# KiCad board beat_sequencer.kicad_pcb (continued)
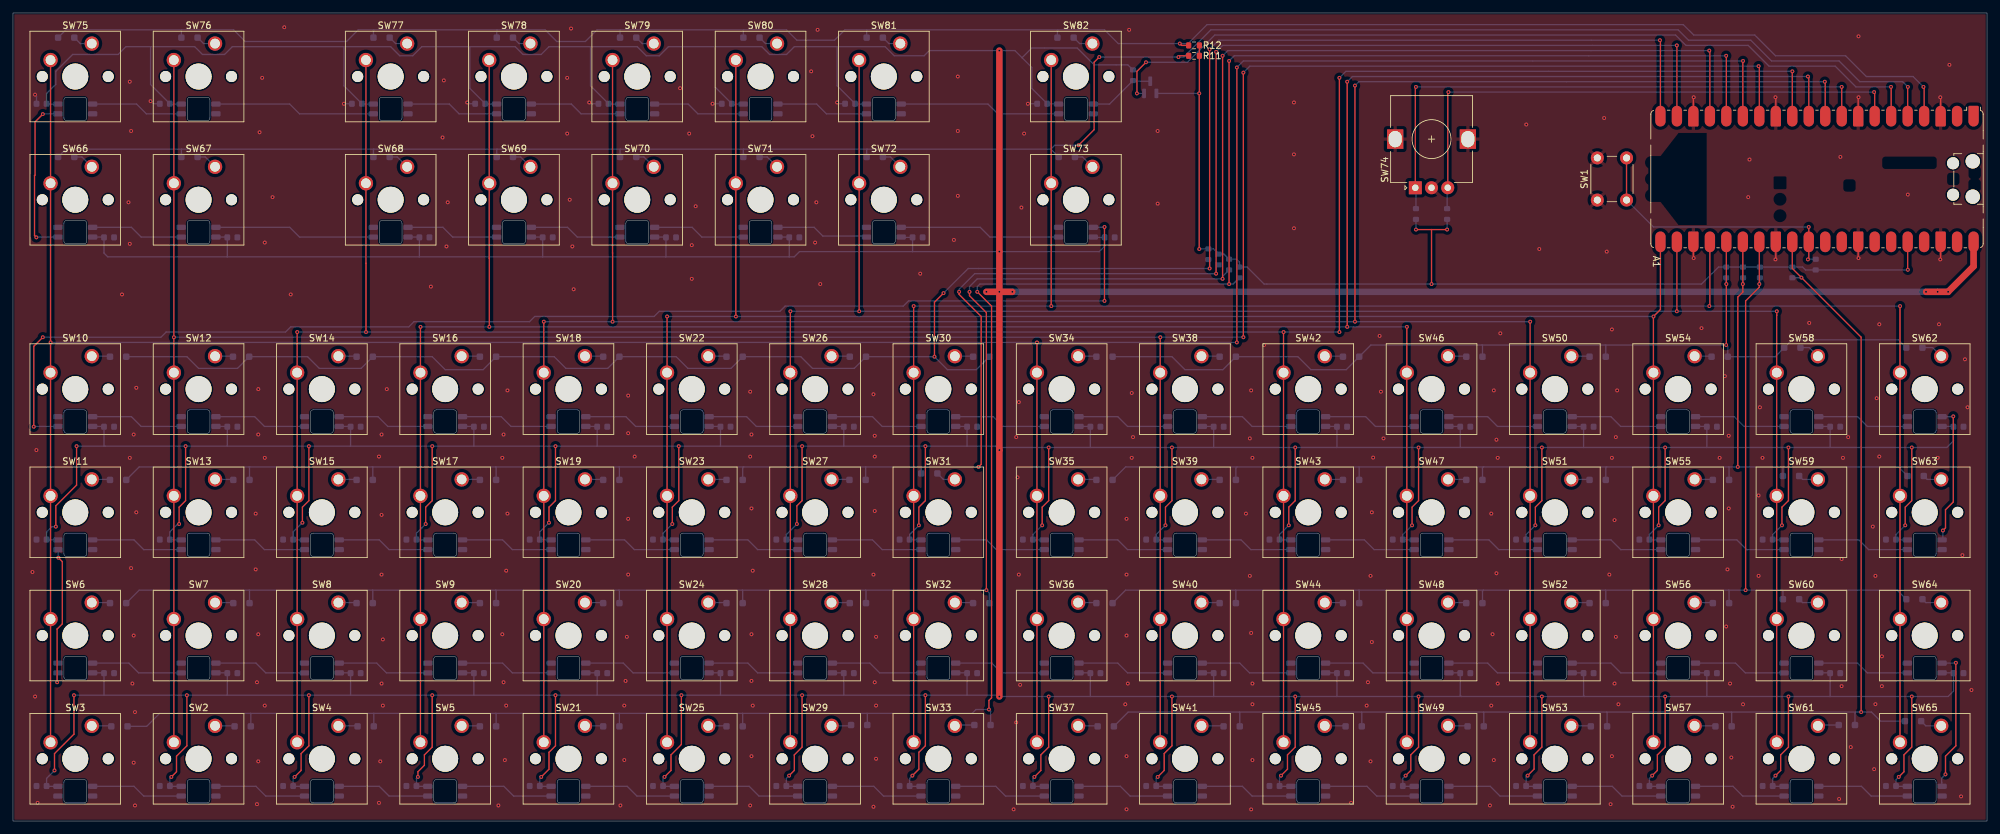
[diagram p0: board, top side]
## Footprints (pads in the part's own frame, mm; a bottom-side part is the same pattern mirrored in y, then rotated)
C_0603_1608Metric
  rrect 0.9x0.95 smd: 1(-0.775,0) 2(0.775,0)
D_SOD-323_HandSoldering
  rrect 1x1 smd: 1(-1.25,0) 2(1.25,0)
LED_SK6812_MINI_REVERSE
  rrect 1.45x0.82 smd: 1(2.675,0.75) 2(2.675,-0.75) 3(-2.675,-0.75)
  rrect 1.45x0.81 smd: 4(-2.675,0.755)
R_0603_1608Metric
  rrect 0.8x0.95 smd: 1(-0.825,0) 2(0.825,0)
RaspberryPi_Pico_Common_SMD
  rect 3.8x2.2 smd: (-8.89,24.13) (-8.89,21.59) (-8.89,19.05) (-8.89,16.51) (-8.89,13.97) (-8.89,11.43) (-8.89,8.89) (-8.89,6.35) (-8.89,3.81) (-8.89,1.27) (-8.89,-1.27) (-8.89,-3.81) (-8.89,-6.35) (-8.89,-8.89) (-8.89,-11.43) (-8.89,-13.97) (-8.89,-16.51) (-8.89,-19.05) (-8.89,-21.59) (-8.89,-24.13) (8.89,24.13) (8.89,21.59) (8.89,19.05) (8.89,16.51) (8.89,13.97) (8.89,11.43) (8.89,8.89) (8.89,6.35) (8.89,3.81) (8.89,1.27) (8.89,-1.27) (8.89,-3.81) (8.89,-6.35) (8.89,-8.89) (8.89,-11.43) (8.89,-13.97) (8.89,-16.51) (8.89,-19.05) (8.89,-21.59) (8.89,-24.13)
  round 2.2 hole 2.2 unplated: (-2.725,24) (2.725,24)
  round 1.85 hole 1.85 unplated: (-2.425,20.97) (2.425,20.97)
  custom 3.2x1.6 smd: 1(-9.69,24.13) 3(-9.69,19.05) 8(-9.69,6.35) 13(-9.69,-6.35) 18(-9.69,-19.05) 23(9.69,-19.05) 28(9.69,-6.35) 33(9.69,6.35) 38(9.69,19.05)
  rrect 3.2x1.6 smd: 2(-9.69,21.59) 4(-9.69,16.51) 5(-9.69,13.97) 6(-9.69,11.43) 7(-9.69,8.89) 9(-9.69,3.81) 10(-9.69,1.27) 11(-9.69,-1.27) 12(-9.69,-3.81) 14(-9.69,-8.89) 15(-9.69,-11.43) 16(-9.69,-13.97) 17(-9.69,-16.51) 19(-9.69,-21.59) 20(-9.69,-24.13) 21(9.69,-24.13) 22(9.69,-21.59) 24(9.69,-16.51) 25(9.69,-13.97) 26(9.69,-11.43) 27(9.69,-8.89) 29(9.69,-3.81) 30(9.69,-1.27) 31(9.69,1.27) 32(9.69,3.81) 34(9.69,8.89) 35(9.69,11.43) 36(9.69,13.97) 37(9.69,16.51) 39(9.69,21.59) 40(9.69,24.13)
RotaryEncoder_Alps_EC12E_Vertical_H20mm
  rect 2x2 hole 1: A(0,0)
  round 2 hole 1: B(0,-5) C(0,-2.5)
  rect 3x2.5 hole 2.5x2: MP(7.5,3.1) MP(7.5,-8.1)
SOT-23
  rrect 1.475x0.6 smd: 1(-0.938,0.95) 2(-0.938,-0.95) 3(0.938,0)
SW_Cherry_MX_1.00u_PCB
  round 1.7 hole 1.7 unplated: (-7.62,-5.08) (2.54,-5.08)
  round 4 hole 4 unplated: (-2.54,-5.08)
  round 2.2 hole 1.5: 1(0,0) 2(-6.35,-2.54)
SW_PUSH_6mm
  round 2 hole 1.1: 1(0,0) 1(6.5,0) 2(0,-4.5) 2(6.5,-4.5)

## Nets
+3V3: A1.36 Q1.1 R1.1 R2.1 R3.1 R4.1 R5.1 R6.1 R7.1 R8.1 R9.1 R11.1 R12.1 R13.1 R14.1
+5V: A1.40 C1.1 C2.1 C3.1 C4.1 C5.1 C6.1 C7.1 C8.1 C9.1 C10.1 C11.1 C12.1 C13.1 C14.1 C15.1 C16.1 C17.1 C18.1 C19.1 C20.1 C21.1 C22.1 C23.1 C24.1 C25.1 C26.1 C27.1 C28.1 C29.1 C30.1 C31.1 C32.1 C33.1 C34.1 C35.1 C36.1 C37.1 C38.1 C39.1 C40.1 C41.1 C42.1 C43.1 C44.1 C45.1 C46.1 C47.1 C48.1 C49.1 C50.1 C51.1 C52.1 C53.1 C54.1 C55.1 C56.1 C57.1 C58.1 C59.1 C60.1 C61.1 C62.1 C63.1 C64.1 C65.1 C66.1 C67.1 C68.1 C69.1 C70.1 C71.1 C72.1 C73.1 C74.1 C75.1 C76.1 C77.1 C78.1 C79.1 C80.1 D1.1 D2.1 D3.1 D4.1 D5.1 D6.1 D7.1 D8.1 D9.1 D10.1 D11.1 D12.1 D13.1 D14.1 D15.1 D16.1 D17.1 D18.1 D19.1 D20.1 D21.1 D22.1 D23.1 D24.1 D25.1 D26.1 D27.1 D28.1 D29.1 D30.1 D31.1 D32.1 D33.1 D34.1 D35.1 D36.1 D37.1 D38.1 D39.1 D40.1 D41.1 D42.1 D43.1 D44.1 D45.1 D46.1 D47.1 D48.1 D49.1 D50.1 D51.1 D52.1 D53.1 D54.1 D55.1 D56.1 D57.1 D58.1 D59.1 D60.1 D61.1 D62.1 D63.1 D64.1 D65.1 D66.1 D67.1 D68.1 D69.1 D70.1 D71.1 D72.1 D73.1 D74.1 D75.1 D76.1 D77.1 D78.1 D79.1 D80.1 R10.1
GND: A1.3 A1.8 A1.13 A1.18 A1.23 A1.28 A1.33 A1.38 C1.2 C2.2 C3.2 C4.2 C5.2 C6.2 C7.2 C8.2 C9.2 C10.2 C11.2 C12.2 C13.2 C14.2 C15.2 C16.2 C17.2 C18.2 C19.2 C20.2 C21.2 C22.2 C23.2 C24.2 C25.2 C26.2 C27.2 C28.2 C29.2 C30.2 C31.2 C32.2 C33.2 C34.2 C35.2 C36.2 C37.2 C38.2 C39.2 C40.2 C41.2 C42.2 C43.2 C44.2 C45.2 C46.2 C47.2 C48.2 C49.2 C50.2 C51.2 C52.2 C53.2 C54.2 C55.2 C56.2 C57.2 C58.2 C59.2 C60.2 C61.2 C62.2 C63.2 C64.2 C65.2 C66.2 C67.2 C68.2 C69.2 C70.2 C71.2 C72.2 C73.2 C74.2 C75.2 C76.2 C77.2 C78.2 C79.2 C80.2 D1.3 D2.3 D3.3 D4.3 D5.3 D6.3 D7.3 D8.3 D9.3 D10.3 D11.3 D12.3 D13.3 D14.3 D15.3 D16.3 D17.3 D18.3 D19.3 D20.3 D21.3 D22.3 D23.3 D24.3 D25.3 D26.3 D27.3 D28.3 D29.3 D30.3 D31.3 D32.3 D33.3 D34.3 D35.3 D36.3 D37.3 D38.3 D39.3 D40.3 D41.3 D42.3 D43.3 D44.3 D45.3 D46.3 D47.3 D48.3 D49.3 D50.3 D51.3 D52.3 D53.3 D54.3 D55.3 D56.3 D57.3 D58.3 D59.3 D60.3 D61.3 D62.3 D63.3 D64.3 D65.3 D66.3 D67.3 D68.3 D69.3 D70.3 D71.3 D72.3 D73.3 D74.3 D75.3 D76.3 D77.3 D78.3 D79.3 D80.3 SW1.1 SW74.C SW74.MP
C1: A1.15 SW3.2 SW6.2 SW10.2 SW11.2 SW34.2 SW35.2 SW36.2 SW37.2 SW66.2 SW75.2
C2: A1.14 SW2.2 SW7.2 SW12.2 SW13.2 SW38.2 SW39.2 SW40.2 SW41.2 SW67.2 SW76.2
C3: A1.12 SW4.2 SW8.2 SW14.2 SW15.2 SW42.2 SW43.2 SW44.2 SW45.2 SW68.2 SW77.2
C4: A1.11 SW5.2 SW9.2 SW16.2 SW17.2 SW46.2 SW47.2 SW48.2 SW49.2 SW69.2 SW78.2
C5: A1.10 SW18.2 SW19.2 SW20.2 SW21.2 SW50.2 SW51.2 SW52.2 SW53.2 SW70.2 SW79.2
C6: A1.21 SW22.2 SW23.2 SW24.2 SW25.2 SW54.2 SW55.2 SW56.2 SW57.2 SW71.2 SW80.2
C7: A1.22 SW26.2 SW27.2 SW28.2 SW29.2 SW58.2 SW59.2 SW60.2 SW61.2 SW72.2 SW81.2
C8: A1.24 SW30.2 SW31.2 SW32.2 SW33.2 SW62.2 SW63.2 SW64.2 SW65.2 SW73.2 SW82.2
LED_DIN: A1.6 Q1.2
R1: A1.20 D81.2 D82.2 D83.2 D84.2 D85.2 D86.2 D87.2 D88.2 R2.2
R2: A1.19 D89.2 D90.2 D91.2 D92.2 D93.2 D94.2 D95.2 D96.2 R3.2
R3: A1.17 D97.2 D98.2 D99.2 D100.2 D101.2 D102.2 D103.2 D104.2 R4.2
R4: A1.16 D105.2 D106.2 D107.2 D108.2 D109.2 D110.2 D111.2 D112.2 R5.2
R5: A1.25 D129.2 D130.2 D131.2 D132.2 D133.2 D134.2 D135.2 D136.2 R6.2
R6: A1.26 D137.2 D138.2 D139.2 D140.2 D141.2 D142.2 D143.2 D144.2 R7.2
R7: A1.27 D145.2 D146.2 D147.2 D148.2 D149.2 D150.2 D151.2 D152.2 R8.2
R8: A1.29 D153.2 D154.2 D155.2 D156.2 D157.2 D158.2 D159.2 D160.2 R9.2
R9: A1.5 D121.2 D122.2 D123.2 D124.2 D125.2 D126.2 D127.2 D128.2 R11.2
R10: A1.4 D113.2 D114.2 D115.2 D116.2 D117.2 D118.2 D119.2 D120.2 R12.2
RENC_A: A1.9 R13.2 SW74.A
RENC_B: A1.7 R14.2 SW74.B
RST: A1.30 R1.2 SW1.2
Net-(D1-DIN): D1.4 Q1.3 R10.2
Net-(D1-DOUT): D1.2 D2.4
Net-(D2-DOUT): D2.2 D3.4
Net-(D3-DOUT): D3.2 D4.4
Net-(D4-DOUT): D4.2 D5.4
Net-(D5-DOUT): D5.2 D6.4
Net-(D6-DOUT): D6.2 D7.4
Net-(D7-DOUT): D7.2 D8.4
Net-(D8-DOUT): D8.2 D9.4
Net-(D10-DIN): D9.2 D10.4
Net-(D10-DOUT): D10.2 D11.4
Net-(D11-DOUT): D11.2 D12.4
Net-(D12-DOUT): D12.2 D13.4
Net-(D13-DOUT): D13.2 D14.4
Net-(D14-DOUT): D14.2 D15.4
Net-(D15-DOUT): D15.2 D16.4
Net-(D16-DOUT): D16.2 D17.4
Net-(D17-DOUT): D17.2 D18.4
Net-(D18-DOUT): D18.2 D19.4
Net-(D19-DOUT): D19.2 D20.4
Net-(D20-DOUT): D20.2 D21.4
Net-(D21-DOUT): D21.2 D22.4
Net-(D22-DOUT): D22.2 D23.4
Net-(D23-DOUT): D23.2 D24.4
Net-(D24-DOUT): D24.2 D25.4
Net-(D25-DOUT): D25.2 D26.4
Net-(D26-DOUT): D26.2 D27.4
Net-(D27-DOUT): D27.2 D28.4
Net-(D28-DOUT): D28.2 D29.4
Net-(D29-DOUT): D29.2 D30.4
Net-(D30-DOUT): D30.2 D31.4
Net-(D31-DOUT): D31.2 D32.4
Net-(D32-DOUT): D32.2 D33.4
Net-(D33-DOUT): D33.2 D35.4
Net-(D34-DIN): D34.4 D36.2
Net-(D34-DOUT): D34.2 D80.4
Net-(D35-DOUT): D35.2 D37.4
Net-(D36-DIN): D36.4 D38.2
Net-(D37-DOUT): D37.2 D39.4
Net-(D38-DIN): D38.4 D40.2
Net-(D39-DOUT): D39.2 D41.4
Net-(D40-DIN): D40.4 D42.2
Net-(D41-DOUT): D41.2 D43.4
Net-(D42-DIN): D42.4 D44.2
Net-(D43-DOUT): D43.2 D45.4
Net-(D44-DIN): D44.4 D46.2
Net-(D45-DOUT): D45.2 D47.4
Net-(D46-DIN): D46.4 D48.2
Net-(D47-DOUT): D47.2 D49.4
Net-(D48-DIN): D48.4 D50.2
Net-(D49-DOUT): D49.2 D51.4
Net-(D50-DIN): D50.4 D52.2
Net-(D51-DOUT): D51.2 D53.4
Net-(D52-DIN): D52.4 D54.2
Net-(D53-DOUT): D53.2 D55.4
Net-(D54-DIN): D54.4 D56.2
Net-(D55-DOUT): D55.2 D57.4
Net-(D56-DIN): D56.4 D58.2
Net-(D57-DOUT): D57.2 D59.4
Net-(D58-DIN): D58.4 D60.2
Net-(D59-DOUT): D59.2 D61.4
Net-(D60-DIN): D60.4 D62.2
Net-(D61-DOUT): D61.2 D63.4
Net-(D62-DIN): D62.4 D64.2
Net-(D63-DOUT): D63.2 D64.4
Net-(D65-DIN): D65.4 D66.2
Net-(D66-DIN): D66.4 D67.2
Net-(D67-DIN): D67.4 D68.2
Net-(D68-DIN): D68.4 D69.2
Net-(D69-DIN): D69.4 D70.2
Net-(D70-DIN): D70.4 D71.2
Net-(D71-DIN): D71.4 D72.2
Net-(D72-DIN): D72.4 D73.2
Net-(D73-DIN): D73.4 D74.2
Net-(D74-DIN): D74.4 D75.2
Net-(D75-DIN): D75.4 D76.2
Net-(D76-DIN): D76.4 D77.2
Net-(D77-DIN): D77.4 D78.2
Net-(D78-DIN): D78.4 D79.2
Net-(D79-DIN): D79.4 D80.2
Net-(D81-K): D81.1 SW10.1
Net-(D82-K): D82.1 SW12.1
Net-(D83-K): D83.1 SW14.1
Net-(D84-K): D84.1 SW16.1
Net-(D85-K): D85.1 SW18.1
Net-(D86-K): D86.1 SW22.1
Net-(D87-K): D87.1 SW26.1
Net-(D88-K): D88.1 SW30.1
Net-(D89-K): D89.1 SW11.1
Net-(D90-K): D90.1 SW13.1
Net-(D91-K): D91.1 SW15.1
Net-(D92-K): D92.1 SW17.1
Net-(D93-K): D93.1 SW19.1
Net-(D94-K): D94.1 SW23.1
Net-(D95-K): D95.1 SW27.1
Net-(D96-K): D96.1 SW31.1
Net-(D97-K): D97.1 SW6.1
Net-(D98-K): D98.1 SW7.1
Net-(D99-K): D99.1 SW8.1
Net-(D100-K): D100.1 SW9.1
Net-(D101-K): D101.1 SW20.1
Net-(D102-K): D102.1 SW24.1
Net-(D103-K): D103.1 SW28.1
Net-(D104-K): D104.1 SW32.1
Net-(D105-K): D105.1 SW3.1
Net-(D106-K): D106.1 SW2.1
Net-(D107-K): D107.1 SW4.1
Net-(D108-K): D108.1 SW5.1
Net-(D109-K): D109.1 SW21.1
Net-(D110-K): D110.1 SW25.1
Net-(D111-K): D111.1 SW29.1
Net-(D112-K): D112.1 SW33.1
Net-(D113-K): D113.1 SW75.1
Net-(D114-K): D114.1 SW76.1
Net-(D115-K): D115.1 SW77.1
Net-(D116-K): D116.1 SW78.1
Net-(D117-K): D117.1 SW79.1
Net-(D118-K): D118.1 SW80.1
Net-(D119-K): D119.1 SW81.1
Net-(D120-K): D120.1 SW82.1
Net-(D121-K): D121.1 SW66.1
Net-(D122-K): D122.1 SW67.1
Net-(D123-K): D123.1 SW68.1
Net-(D124-K): D124.1 SW69.1
Net-(D125-K): D125.1 SW70.1
Net-(D126-K): D126.1 SW71.1
Net-(D127-K): D127.1 SW72.1
Net-(D128-K): D128.1 SW73.1
Net-(D129-K): D129.1 SW34.1
Net-(D130-K): D130.1 SW38.1
Net-(D131-K): D131.1 SW42.1
Net-(D132-K): D132.1 SW46.1
Net-(D133-K): D133.1 SW50.1
Net-(D134-K): D134.1 SW54.1
Net-(D135-K): D135.1 SW58.1
Net-(D136-K): D136.1 SW62.1
Net-(D137-K): D137.1 SW35.1
Net-(D138-K): D138.1 SW39.1
Net-(D139-K): D139.1 SW43.1
Net-(D140-K): D140.1 SW47.1
Net-(D141-K): D141.1 SW51.1
Net-(D142-K): D142.1 SW55.1
Net-(D143-K): D143.1 SW59.1
Net-(D144-K): D144.1 SW63.1
Net-(D145-K): D145.1 SW36.1
Net-(D146-K): D146.1 SW40.1
Net-(D147-K): D147.1 SW44.1
Net-(D148-K): D148.1 SW48.1
Net-(D149-K): D149.1 SW52.1
Net-(D150-K): D150.1 SW56.1
Net-(D151-K): D151.1 SW60.1
Net-(D152-K): D152.1 SW64.1
Net-(D153-K): D153.1 SW37.1
Net-(D154-K): D154.1 SW41.1
Net-(D155-K): D155.1 SW45.1
Net-(D156-K): D156.1 SW49.1
Net-(D157-K): D157.1 SW53.1
Net-(D158-K): D158.1 SW57.1
Net-(D159-K): D159.1 SW61.1
Net-(D160-K): D160.1 SW65.1

Pads without a net: A1 1 2 31 32 34 35 37 39; D65 2

## Via types
v1: diameter 0.6, hole 0.3, Top to Bottom, 419 vias

## Routing (per net, layer and track width the routed paths; a pad name or vN(x,y) marks a point on that pad's centre or on a via; arc(x,y) is an arc through that point)
+3V3: length 171.9
  Top w0.2: A1.36 291.97,85.03 v1(292,85) ; R12.1 R11.1 182.82,112.22 v1(182.8,112.2) v1(182.8,88.2) ; v1(218.6,82.8) 218.6,91.2 ; 218.6,91.2 v1(221,91.2) ; 218.6,91.2 v1(216.2,91.2)
  Bottom w0.2: R14.1 v1(221,91.2) ; R13.1 v1(216.2,91.2) ; v1(292,85) 291.98,84.97 276.23,84.97 275.78,85.42 262.83,85.42 260.2,82.8 v1(218.6,82.8) 192.8,82.8 190.17,85.42 189,85.42 189,86.2 188.57,86.62 R4.1 186.6,87.42 185.8,87.42 185,88.22 R2.1 182.82,88.22 v1(182.8,88.2) ; Q1.1 v1(182.8,112.2)
+5V: length 2006.7
  Top w0.2: v1(121.6,57.8) 121.6,49.4 120.8,48.6 v1(120.8,45.8) ; v1(216.6,57.6) 216.6,49.4 215.6,48.4 v1(215.6,45.6) ; v1(45.6,19.4) 45.6,11.6 44.4,10.4 44.4,7.8 v1(43.4,6.8) ; v1(178.6,19.2) 178.6,11.6 177.4,10.4 177.4,7.8 v1(176.4,6.8) ; v1(45.6,57.8) 45.6,49.4 44.6,48.4 v1(44.6,46) ; v1(292.6,19.2) 292.6,11.4 291.4,10.2 291.4,7.6 v1(290.6,6.8) ; v1(83.6,57.8) 83.6,49.4 82.6,48.4 v1(82.6,46) ; v1(252.6,7) 253.4,7.8 253.4,10.2 254.6,11.4 v1(254.6,19.2) ; v1(272.6,45.6) 272.6,48.4 273.6,49.4 v1(273.6,57.6) ; v1(235.6,19.2) 235.6,11.4 234.4,10.2 234.4,8 v1(233.4,7) ; v1(197.6,57.6) 197.6,49.4 196.6,48.4 v1(196.6,45.6) ; v1(139.6,45.6) 139.6,48.4 140.6,49.4 v1(140.6,57.8) ; v1(101.6,45.8) 101.6,48.4 102.6,49.4 v1(102.6,57.8) ; v1(271.6,7) 272.4,7.8 272.4,10.2 273.6,11.4 v1(273.6,19.2) ; v1(119.6,7) 120.4,7.8 120.4,10.2 121.6,11.4 v1(121.6,19.4) ; v1(81.4,6.8) 82.6,8 82.6,10.6 83.6,11.6 v1(83.6,19.4) ; v1(103,19.4) 103,11.8 101.4,10.2 101.4,7.8 v1(100.4,6.8) ; v1(235.6,57.6) 235.6,49.4 234.6,48.4 v1(234.6,45.6) ; v1(26.8,19.4) 26.8,11.6 25.2,10 25.2,7.6 v1(24.4,6.8) ; v1(254.6,57.6) 254.6,49.4 253.6,48.4 v1(253.6,45.6) ; v1(6.4,7.8) 6.4,10.4 9.4,13.4 v1(9.4,19.4) ; v1(177.6,45.6) 177.6,48.4 178.6,49.4 v1(178.6,57.6) ; v1(195.4,7) 196.4,8 196.4,10.2 197.6,11.4 v1(197.6,19.2) ; v1(292.6,57.6) 292.6,49.4 291.6,48.4 v1(291.6,45.6) ; v1(6.6,45.4) 6.6,48.6 9.8,51.8 v1(9.8,57.8) ; v1(64.6,19.4) 64.6,11.4 63.4,10.2 63.4,8.6 62.4,7.6 v1(62.4,6.8) ; v1(214.6,7) 215.4,7.8 215.4,10.2 216.6,11.4 v1(216.6,19.2) ; v1(159.6,19.2) 159.6,11.4 158.4,10.2 158.4,7.8 v1(157.4,6.8) ; v1(159.6,57.6) 159.6,49.4 158.6,48.4 v1(158.6,45.6) ; v1(25.6,45.8) 25.6,48.4 26.6,49.4 v1(26.6,57.8) ; v1(63.6,45.8) 63.6,48.4 64.6,49.4 v1(64.6,57.8) ; v1(140.6,19.4) 140.6,11.6 139.6,10.6 139.6,8 v1(138.6,7)
  Top w1: v1(294.8,81.6) v1(298.2,81.6) 302.13,85.53 A1.40 ; v1(152,81.6) v1(152,57.2) v1(152,19.2) ; v1(152,81.6) v1(154,81.6) ; v1(152,81.6) v1(150,81.6) ; v1(152,81.6) v1(152,87.8) v1(152,118.8)
  Bottom w0.2: v1(9.8,57.8) 14.2,57.8 ; 14.2,57.8 v1(26.6,57.8) 33,57.8 ; 14.2,57.8 14,57.8 14.02,57.82 14.02,60.8 13.98,60.85 12.23,60.85 ; 185,19.2 v1(178.6,19.2) 166,19.2 ; 185,19.2 v1(197.6,19.2) 204,19.2 ; 185,19.2 185.03,19.22 C55.1 184.97,22.85 183.22,22.85 ; 71,57.8 v1(64.6,57.8) 52,57.8 ; 71,57.8 v1(83.6,57.8) 90,57.8 ; 71,57.8 71.03,57.82 C29.1 70.97,60.85 69.22,60.85 ; 147,19.4 v1(140.6,19.4) 128,19.4 ; 147,19.4 151.8,19.4 v1(152,19.2) v1(159.6,19.2) 166,19.2 ; 147,19.4 147.03,19.42 C57.1 146.97,22.85 145.22,22.85 ; v1(234.6,45.6) 233.17,44.17 C45.1 233.22,43.35 234.97,43.35 ; 158.97,43.35 157.22,43.35 C41.1 157.17,44.17 v1(158.6,45.6) ; 128,57.8 v1(121.6,57.8) 109,57.8 ; 128,57.8 128.03,57.82 C26.1 127.97,60.85 126.22,60.85 ; 128,57.8 v1(140.6,57.8) 147,57.8 ; 164.22,60.85 165.97,60.85 C24.1 166.03,57.62 166,57.6 ; 25.98,5.35 24.23,5.35 C66.1 24.18,6.57 v1(24.4,6.8) ; 6.98,5.35 5.23,5.35 5.18,5.4 5.18,6.57 v1(6.4,7.8) ; 253.97,43.35 252.22,43.35 C46.1 252.17,44.17 v1(253.6,45.6) ; 223,57.6 v1(216.6,57.6) 204,57.6 ; 223,57.6 223.03,57.62 C21.1 222.97,60.85 221.22,60.85 ; 223,57.6 v1(235.6,57.6) 242,57.6 ; 261,57.6 v1(273.6,57.6) 280,57.6 ; 261,57.6 v1(254.6,57.6) 242,57.6 ; 261,57.6 261.03,57.62 C19.1 260.98,60.85 259.23,60.85 ; 161.17,110.55 161.12,110.6 C1.1 157,112.97 157,116.2 155.5,117.7 ; 52,19.4 52.02,19.42 C62.1 51.98,22.85 50.23,22.85 ; 52,19.4 v1(45.6,19.4) 33,19.4 ; 52,19.4 v1(64.6,19.4) 71,19.4 ; v1(195.4,7) 195.17,6.77 C76.1 195.22,5.35 196.97,5.35 ; 33,57.8 v1(45.6,57.8) 52,57.8 ; 33,57.8 33.02,57.82 C31.1 32.98,60.85 31.23,60.85 ; 52,57.8 52.02,57.82 C30.1 51.98,60.85 50.23,60.85 ; 177.97,5.35 176.22,5.35 C75.1 176.17,6.57 v1(176.4,6.8) ; 71,19.4 71.03,19.42 C61.1 70.97,22.85 69.22,22.85 ; 71,19.4 v1(83.6,19.4) 90,19.4 ; 51,119.4 51,113.37 C6.1 53.82,110.55 55.57,110.55 ; 51,119.4 33.8,119.4 32.6,118.2 29.2,118.2 28,119.4 21.2,119.4 ; 51,119.4 58.2,119.4 59.6,118 61.6,118 63,119.4 70.4,119.4 ; v1(252.6,7) 252.17,6.57 C79.1 252.22,5.35 253.97,5.35 ; 109,57.8 v1(102.6,57.8) 90,57.8 ; 109,57.8 109.03,57.82 C27.1 108.97,60.85 107.22,60.85 ; 62.6,87 62.63,87.02 C11.1 62.57,90.05 60.82,90.05 ; 62.6,87 33,87 ; 62.6,87 81.6,87 ; 204,57.6 v1(197.6,57.6) 185,57.6 ; 204,57.6 204.03,57.62 C22.1 203.97,60.85 202.22,60.85 ; 128,19.4 128.03,19.42 C58.1 127.97,22.85 126.22,22.85 ; 128,19.4 v1(121.6,19.4) 109,19.4 ; 119.6,87 120.4,87 121.2,87.8 138.6,87.8 ; 119.6,87 100.6,87 ; 119.6,87 119.62,87.02 C14.1 119.57,90.05 117.82,90.05 ; v1(214.6,7) 214.17,6.57 C77.1 214.22,5.35 215.97,5.35 ; 155.5,117.7 157,119.2 164,119.2 166.6,116.6 171.8,116.6 172.6,115.8 ; 155.5,117.7 154.4,118.8 v1(152,118.8) 141.2,118.8 140.4,118 135.8,118 134.4,119.4 127,119.4 ; 44.98,43.35 43.23,43.35 C35.1 43.18,44.57 v1(44.6,46) ; 100.6,87 100.62,87.02 C13.1 100.57,90.05 98.82,90.05 ; 100.6,87 81.6,87 ; 82.97,43.35 81.22,43.35 C37.1 81.18,44.57 v1(82.6,46) ; 6.98,110.55 5.23,110.55 5.18,110.6 5.18,112.17 6.6,113.6 6.6,115.6 9.2,118.2 16.2,118.2 17.4,119.4 21.2,119.4 ; 12.23,90.05 13.98,90.05 14.02,90 14.02,87.62 14,87.6 14.6,87 33,87 ; 166,19.2 166.03,19.22 C56.1 165.97,22.85 164.22,22.85 ; v1(120.8,45.8) 119.17,44.17 C39.1 119.22,43.35 120.97,43.35 ; 261,19.2 v1(273.6,19.2) 280,19.2 ; 261,19.2 v1(254.6,19.2) 242.2,19.2 ; 261,19.2 261.03,19.22 C51.1 260.98,22.85 259.23,22.85 ; 240.22,22.85 241.97,22.85 C52.1 242.03,19.38 242.2,19.2 ; 204,19.2 v1(216.6,19.2) 223.2,19.2 ; 204,19.2 204.03,19.22 C54.1 203.97,22.85 202.22,22.85 ; v1(177.6,45.6) 176.17,44.17 C42.1 176.22,43.35 177.97,43.35 ; 223.2,19.2 223.03,19.38 C53.1 222.97,22.85 221.22,22.85 ; 223.2,19.2 v1(235.6,19.2) 242.2,19.2 ; 278.23,60.85 279.98,60.85 C18.1 280.03,57.62 280,57.6 ; 33,87 33.02,87.02 C10.1 32.98,90.05 31.23,90.05 ; 215.97,43.35 214.22,43.35 C44.1 214.17,44.17 v1(215.6,45.6) ; 147,57.8 151.4,57.8 v1(152,57.2) 152.4,57.6 v1(159.6,57.6) 166,57.6 ; 147,57.8 147.03,57.82 C25.1 146.97,60.85 145.22,60.85 ; 127,119.4 127,113.37 C2.1 129.82,110.55 131.57,110.55 ; 127,119.4 120.4,119.4 119.2,118.2 116.6,118.2 115.4,119.4 108.2,119.4 ; 33,19.4 v1(26.8,19.4) 14,19.4 ; 33,19.4 33.02,19.42 C63.1 32.98,22.85 31.23,22.85 ; 79.82,90.05 81.57,90.05 C12.1 81.62,87.02 81.6,87 ; 6.98,43.35 5.23,43.35 5.18,43.4 5.18,44.57 6,45.4 v1(6.6,45.4) ; 158.97,5.35 157.22,5.35 C74.1 157.17,6.57 v1(157.4,6.8) ; 166,57.6 v1(178.6,57.6) 185,57.6 ; 70.4,119.4 70.4,112.97 C5.1 72.82,110.55 74.57,110.55 ; 70.4,119.4 77.4,119.4 78.6,118.2 81.4,118.2 82.6,119.4 89,119.4 ; 21.2,119.4 21.2,113.57 C7.1 24.23,110.55 25.98,110.55 ; 185,57.6 185.03,57.62 C23.1 184.97,60.85 183.22,60.85 ; 138.6,87.8 v1(152,87.8) 167.4,87.8 168.22,88.62 C16.1 166.47,90 166.42,90.05 ; 138.6,87.8 138.62,87.82 C15.1 136.88,90 136.82,90.05 ; 93.57,110.55 91.82,110.55 C4.1 89,113.37 89,119.4 ; 272.98,43.35 271.23,43.35 C47.1 271.18,44.17 v1(272.6,45.6) ; v1(138.6,7) 138.17,6.57 C73.1 138.22,5.35 139.97,5.35 ; v1(43.4,6.8) 43.18,6.57 C67.1 43.23,5.35 44.98,5.35 ; 89,119.4 96.2,119.4 97.6,118 99.6,118 101,119.4 108.2,119.4 ; 90,57.8 90.03,57.82 C28.1 89.97,60.85 88.22,60.85 ; 291.98,43.35 290.23,43.35 C48.1 290.18,44.17 v1(291.6,45.6) ; v1(25.6,45.8) 25.39,45.8 24.6,45.01 24.6,45 24.18,44.57 C34.1 24.23,43.35 25.98,43.35 ; v1(63.6,45.8) 62.18,44.38 C36.1 62.23,43.35 63.98,43.35 ; 242,57.6 242.03,57.62 C20.1 241.97,60.85 240.22,60.85 ; 14,19.4 v1(9.4,19.4) ; 14,19.4 14.02,19.42 14.02,22.8 13.98,22.85 12.23,22.85 ; 234.97,5.35 233.22,5.35 C78.1 233.17,6.77 v1(233.4,7) ; 280,19.2 v1(292.6,19.2) 298.2,19.2 299.03,20.02 C49.1 298.98,22.85 297.23,22.85 ; 280,19.2 280.03,19.22 C50.1 279.98,22.85 278.23,22.85 ; v1(81.4,6.8) 81.18,6.57 C69.1 81.22,5.35 82.97,5.35 ; 88.22,22.85 89.97,22.85 C60.1 90.03,19.42 90,19.4 ; 109,19.4 v1(103,19.4) 90,19.4 ; 109,19.4 109.03,19.42 C59.1 108.97,22.85 107.22,22.85 ; 63.98,5.35 62.23,5.35 C68.1 62.18,6.57 v1(62.4,6.8) ; 120.97,5.35 119.22,5.35 C71.1 119.17,6.57 v1(119.6,7) ; 280,57.6 298,57.6 299.03,58.62 C17.1 298.98,60.85 297.23,60.85 ; 101.97,5.35 100.22,5.35 C70.1 100.17,6.57 v1(100.4,6.8) ; 108.2,119.4 108.2,113.17 C3.1 110.82,110.55 112.57,110.55 ; 272.98,5.35 271.23,5.35 C80.1 271.18,6.57 v1(271.6,7) ; v1(196.6,45.6) 195.17,44.17 C43.1 195.22,43.35 196.97,43.35 ; 291.98,5.35 290.23,5.35 C72.1 290.18,6.38 v1(290.6,6.8) ; v1(139.6,45.6) 138.17,44.17 C40.1 138.22,43.35 139.97,43.35 ; v1(101.6,45.8) 100.17,44.38 C38.1 100.22,43.35 101.97,43.35
  Bottom w1: v1(298.2,81.6) v1(296.6,81.6) v1(294.8,81.6) v1(154,81.6) v1(150,81.6)
GND: length 33.5
  Top w0.2: v1(271.6,86.6) 271.65,86.65 A1.28 ; v1(284.4,111.6) 284.35,111.55 A1.8 ; A1.13 271.65,111.55 v1(271.6,111.6) ; v1(297,111.6) 297.05,111.55 A1.3 ; A1.38 297.05,86.65 v1(297,86.6) ; v1(259,86.8) 258.95,86.85 A1.23 ; A1.18 258.95,111.55 v1(259,111.6) ; v1(284.4,86.8) 284.35,86.85 A1.33
  Bottom w0.2: C3.2 v1(107.8,110.6) ; C6.2 v1(51,110.6) ; C8.2 3.62,111.77 v1(3.4,112) ; C4.2 89,110.6 v1(88.8,110.8) ; C1.2 v1(156.4,110.6) ; v1(70,110.8) 70.2,110.6 C5.2 ; C2.2 127.2,110.6 v1(127,110.8) ; v1(21.2,111) 21.6,110.6 C7.2
  vias: v1(3,38.4) v1(3.4,19.2) v1(3.6,57.2) v1(3.8,2.8) v1(16.8,81.2) v1(17.8,95.4) v1(18,114) v1(18,89) v1(18,56) v1(18.2,106.4) v1(18.2,39) v1(18.4,21.2) v1(18.6,59.6) v1(18.6,28.6) v1(18.6,9) v1(18.8,16.8) v1(18.8,2.4) v1(19,66.8) v1(19,47.6) v1(37.4,47.4) v1(37.4,38.8) v1(37.6,21.4) v1(37.6,2.6) v1(37.8,66.6) v1(37.8,59.6) v1(37.8,28.8) v1(37.8,9.2) v1(38,106.2) v1(38.4,114.6) v1(38.8,89.2) v1(38.8,56) v1(38.8,17.8) v1(40,96.2) v1(41.8,122.4) v1(42.8,81.2) v1(56.4,56.2) v1(56.4,2.8) v1(56.6,9.2) v1(56.8,59.6) v1(56.8,47.2) v1(56.8,38) v1(56.8,21.2) v1(57,28) v1(57,17.8) v1(57.6,66.6) v1(64.4,82.4) v1(66.2,105.4) v1(66.4,114.2) v1(66.8,88.6) v1(67,95.4) v1(74.8,2.4) v1(75.4,56) v1(75.4,28.8) v1(75.6,59.6) v1(75.6,21.4) v1(75.8,9.4) v1(76,38.6) v1(76,17.8) v1(76.2,66.4) v1(76.2,47.4) v1(85.4,114.6) v1(85.4,106) v1(85.8,95.8) v1(86,122.2) v1(86.2,88.6) v1(86.4,82) v1(93.6,2.4) v1(94.2,17.8) v1(94.2,9.4) v1(94.4,21.6) v1(94.6,28.4) v1(94.8,65.6) v1(94.8,59.8) v1(94.8,46.6) v1(94.8,38) v1(95.8,56.2) v1(102.8,113) v1(104.2,106) v1(104.6,88.8) v1(104.6,83.6) v1(105.2,94.8) v1(113.6,66.2) v1(113.6,56.2) v1(113.6,2.4) v1(113.8,59.6) v1(113.8,48.2) v1(113.8,28.8) v1(113.8,21.6) v1(113.8,10) v1(114,38.6) v1(114,17.8) v1(123,115.6) v1(123.2,105.6) v1(123.6,89.2) v1(123.8,95.4) v1(124,122) v1(124.4,82.8) v1(132.6,65.8) v1(132.6,38) v1(132.6,2.2) v1(132.8,59.4) v1(132.8,56.2) v1(132.8,47.8) v1(132.8,21.4) v1(133,28.4) v1(133,17.8) v1(133,9.6) v1(139.8,84.4) v1(145,89.6) v1(145.6,114.8) v1(145.6,106.4) v1(145.6,96.4) v1(154.2,1.8) v1(154.6,59.2) v1(154.6,15.2) v1(154.8,53) v1(155,64.6) v1(155,38) v1(155.2,21) v1(155.4,94.6) v1(155.81,106) v1(171.4,18) v1(171.6,46.6) v1(171.6,38) v1(171.6,28.6) v1(171.6,10) v1(171.6,1.8) v1(171.8,21.2) v1(172,122) v1(172.4,66) v1(172.4,56) v1(172.6,59.2) v1(176.4,106.4) v1(176.4,95.2) v1(190,47.4) v1(190.6,59) v1(190.6,37.8) v1(190.8,66.4) v1(190.8,29) v1(190.8,1.8) v1(191,56) v1(191,21.2) v1(191,18) v1(191,9.4) v1(192.8,73.4) v1(197.4,110.8) v1(197.4,102.8) v1(197.4,91.4) v1(206.2,2.8) v1(208.6,17.8) v1(208.8,21.4) v1(209.2,37.8) v1(209.2,9.2) v1(209.4,47.6) v1(209.4,27.6) v1(209.6,56.04) v1(210.6,74.8) v1(210.8,66.2) v1(211.2,59) v1(227.6,2.4) v1(227.8,47.4) v1(227.8,17.8) v1(228,28.8) v1(228.2,66.4) v1(228.2,9.4) v1(228.6,58.8) v1(228.6,38.2) v1(228.8,56) v1(228.8,21.2) v1(229.2,75.2) v1(233.2,107.4) v1(235.2,88.2) v1(245.2,108.4) v1(245.6,87.8) v1(246,38) v1(246.2,2.6) v1(246.4,75.8) v1(246.4,56) v1(246.4,10) v1(246.8,46.4) v1(246.8,21.2) v1(247,59.2) v1(247,28.4) v1(247.2,66.4) v1(247.4,18) v1(260.2,76) v1(263,56) v1(263.8,68.6) v1(264,30) v1(264.2,38.8) v1(264.4,59.4) v1(264.4,48.2) v1(264.6,21.2) v1(264.8,9.8) v1(265,2.2) v1(266.6,18) v1(267.4,96.2) v1(267.6,102) v1(269,50.2) v1(269,37.8) v1(269.2,63.8) v1(269.6,56) v1(276.8,76.8) v1(281.4,3.4) v1(281.6,102.4) v1(281.8,40.4) v1(281.8,20.8) v1(282,56) v1(282.8,59.2) v1(283.2,11.4) v1(284.4,121) v1(286.6,45.4) v1(286.8,8) v1(287,37.8) v1(287,18.02) v1(287.2,65.2) v1(287.6,76.6) v1(287.6,56.2) v1(288,25.4) v1(288,20.8) v1(292,96.6) v1(296.6,56) v1(296.8,76.6) v1(298.4,116.6) v1(300.2,3.8) v1(300.4,41) v1(300.8,71.2) v1(301.2,63.8) v1(301.8,20.2)
C1: length 479
  Top w0.2: v1(266.6,117.2) 266.57,117.17 A1.15 ; SW3.2 SW6.2 SW11.2 SW10.2 5.79,73.79 v1(5.8,73.8) 5.8,74 5.79,74.01 SW66.2 SW75.2 ; v1(188.6,116.2) v1(188.6,73.8) ; SW37.2 SW36.2 SW35.2 SW34.2 157.79,73.79 v1(157.8,73.8)
  Bottom w0.2: v1(266.6,117.2) 189.6,117.2 v1(188.6,116.2) ; v1(188.6,73.8) v1(157.8,73.8) v1(5.8,73.8)
C2: length 460.8
  Top w0.2: SW76.2 SW67.2 24.79,74.61 v1(24.8,74.6) 24.79,74.59 SW12.2 SW13.2 SW7.2 SW2.2 ; A1.14 269.11,116.29 v1(269,116.4) ; v1(189.6,74.6) v1(189.6,115.4) ; v1(176.8,74.6) 176.79,74.59 SW38.2 SW39.2 SW40.2 SW41.2
  Bottom w0.2: v1(24.8,74.6) v1(176.8,74.6) v1(189.6,74.6) ; v1(269,116.4) 190.6,116.4 v1(189.6,115.4)
C3: length 445.4
  Top w0.2: SW77.2 SW68.2 54.39,85.99 54.4,85.98 v1(54.4,75.4) ; SW45.2 SW44.2 SW43.2 SW42.2 195.79,75.39 v1(195.8,75.4) ; v1(43.8,75.4) 43.79,75.39 SW14.2 SW15.2 SW8.2 SW4.2 ; A1.12 274.19,115.59 v1(274.2,115.6) ; v1(204.4,114.6) v1(204.4,75.4)
  Bottom w0.2: v1(43.8,75.4) v1(54.4,75.4) v1(195.8,75.4) v1(204.4,75.4) ; v1(204.4,114.6) 205.4,115.6 v1(274.2,115.6)
C4: length 436.6
  Top w0.2: SW49.2 SW48.2 SW47.2 SW46.2 214.79,76.19 v1(214.8,76.2) ; SW5.2 SW9.2 SW17.2 SW16.2 62.79,76.19 v1(62.8,76.2) ; v1(276.6,114.8) 276.73,114.67 A1.11 ; v1(73.4,76.2) 73.4,86.78 73.39,86.79 SW69.2 SW78.2 ; v1(205.6,114) v1(205.6,76.2)
  Bottom w0.2: v1(205.6,114) 206.4,114.8 v1(276.6,114.8) ; v1(62.8,76.2) v1(73.4,76.2) v1(205.6,76.2) v1(214.8,76.2)
C5: length 436.5
  Top w0.2: A1.10 279.27,113.93 v1(279.2,114) ; v1(206.8,113.4) v1(206.8,77) ; v1(81.8,77) 81.79,76.99 SW18.2 SW19.2 SW20.2 SW21.2 ; v1(233.8,77) 233.79,76.99 SW50.2 SW51.2 SW52.2 SW53.2 ; SW79.2 SW70.2 92.39,87.59 92.4,87.58 v1(92.4,77)
  Bottom w0.2: v1(206.8,113.4) 207.4,114 v1(279.2,114) ; v1(233.8,77) v1(206.8,77) v1(92.4,77) v1(81.8,77)
C6: length 334.8
  Top w0.2: v1(111.4,77.8) 111.39,77.81 SW71.2 SW80.2 ; SW57.2 SW56.2 SW55.2 SW54.2 252.79,77.59 252.8,77.6 v1(252.8,77.8) 253.87,78.87 A1.21 ; v1(100.8,77.8) 100.79,77.79 SW22.2 SW23.2 SW24.2 SW25.2
  Bottom w0.2: v1(252.8,77.8) v1(111.4,77.8) v1(100.8,77.8)
C7: length 334.4
  Top w0.2: v1(256.4,78.6) 256.41,78.61 A1.22 ; v1(271.8,78.6) 271.8,78 271.79,77.99 SW58.2 SW59.2 SW60.2 SW61.2 ; SW81.2 SW72.2 130.39,78.61 v1(130.4,78.6) ; SW29.2 SW28.2 SW27.2 SW26.2 119.79,78.59 v1(119.8,78.6)
  Bottom w0.2: v1(119.8,78.6) v1(130.4,78.6) v1(256.4,78.6) v1(271.8,78.6)
C8: length 334.4
  Top w0.2: v1(261.4,79.4) 261.49,79.49 A1.24 ; v1(160,79.4) 159.99,79.41 SW73.2 SW82.2 ; SW33.2 SW32.2 SW31.2 SW30.2 138.79,79.39 v1(138.8,79.4) ; v1(290.8,79.4) 290.79,79.39 SW62.2 SW63.2 SW64.2 SW65.2
  Bottom w0.2: v1(290.8,79.4) v1(261.4,79.4) v1(160,79.4) v1(138.8,79.4)
LED_DIN: length 130.9
  Top w0.2: v1(173.2,112.2) 173.2,115.6 v1(174.6,117) ; v1(289.4,113.2) 289.43,113.17 A1.6
  Bottom w0.2: Q1.2 v1(173.2,112.2) ; v1(289.4,113.2) 284,113.2 280.8,116.4 270.6,116.4 267.4,119.6 257.8,119.6 256.2,121.2 185.2,121.2 181,117 v1(174.6,117)
R1: length 313.7
  Top w0.2: v1(184.4,119) v1(184.4,85.2) ; v1(253.8,120.4) 253.87,120.33 A1.20 ; v1(143.4,81.4) 142,80 v1(142,71.6)
  Bottom w0.2: D81.2 26.8,71.6 28.6,69.8 34.6,69.8 D82.2 45.4,71.6 47.2,69.8 53.65,69.8 D83.2 64.6,71.6 66.6,69.6 72.45,69.6 D84.2 83.4,71.6 85.2,69.8 91.65,69.8 D85.2 102.2,71.6 104,69.8 110.65,69.8 D86.2 121.4,71.6 123.2,69.8 129.65,69.8 D87.2 v1(142,71.6) 144,69.6 148.45,69.6 D88.2 ; R2.2 184.4,86.37 v1(184.4,85.2) 147.2,85.2 v1(143.4,81.4) ; v1(253.8,120.4) 185.8,120.4 v1(184.4,119)
R2: length 333
  Top w0.2: v1(185.4,118.6) v1(185.4,84.4) ; v1(256.4,119.6) 256.41,119.59 A1.19 ; v1(145.8,81.6) 145.8,81.2 149.2,77.8 149.2,55 v1(148.8,54.6)
  Bottom w0.2: v1(145.8,81.6) 145.8,82 148.2,84.4 v1(185.4,84.4) 185.4,85.37 R3.2 ; D89.2 19.45,54.6 36.4,54.6 ; D96.2 139.95,54.55 140,54.6 ; 131.4,54.6 140,54.6 ; 131.4,54.6 D95.2 ; 131.4,54.6 112.6,54.6 ; 36.4,54.6 55.4,54.6 ; 36.4,54.6 36.45,54.55 D90.2 ; 55.4,54.6 74.4,54.6 ; 55.4,54.6 55.45,54.55 D91.2 ; v1(256.4,119.6) 186.4,119.6 v1(185.4,118.6) ; 112.6,54.6 112.45,54.45 D94.2 ; 112.6,54.6 93.4,54.6 ; 74.4,54.6 74.45,54.55 D92.2 ; 74.4,54.6 93.4,54.6 ; 93.4,54.6 93.45,54.55 D93.2 ; v1(148.8,54.6) 140,54.6
R3: length 356.7
  Top w0.2: v1(186.4,118) v1(186.4,83.6) ; v1(147.4,81.6) 147.4,81 150,78.4 v1(150,35.6) ; v1(261.4,118.8) 261.49,118.71 A1.17
  Bottom w0.2: 74.4,35.6 74.45,35.55 D100.2 ; 74.4,35.6 93.4,35.6 ; 74.4,35.6 55.4,35.6 ; 36.4,35.6 36.45,35.55 D98.2 ; 36.4,35.6 19.45,35.6 D97.2 ; 36.4,35.6 55.4,35.6 ; 131.4,35.6 112.4,35.6 ; 131.4,35.6 131.45,35.55 D103.2 ; 131.4,35.6 v1(150,35.6) 150.45,35.15 D104.2 ; 112.4,35.6 93.4,35.6 ; 112.4,35.6 112.45,35.55 D102.2 ; D99.2 55.45,35.55 55.4,35.6 ; 93.4,35.6 93.45,35.55 D101.2 ; v1(186.4,118) 187.2,118.8 v1(261.4,118.8) ; 187.4,84.97 186.4,83.97 v1(186.4,83.6) 148.6,83.6 147.4,82.4 v1(147.4,81.6)
R4: length 376.1
  Top w0.2: v1(148.6,81.6) 150.8,79.4 150.8,19 150.4,18.6 v1(150.4,17.2) ; A1.16 264.03,117.97 v1(264,118) ; v1(187.4,117.2) v1(187.4,82.8)
  Bottom w0.2: 112.4,16.6 112.45,16.55 D110.2 ; 112.4,16.6 93.4,16.6 ; 112.4,16.6 131.6,16.6 ; 74.4,16.6 74.45,16.55 D108.2 ; 74.4,16.6 55.6,16.6 ; 74.4,16.6 93.4,16.6 ; D107.2 55.6,16.6 ; 55.6,16.6 36.6,16.6 ; D106.2 36.65,16.55 36.6,16.6 ; 131.6,16.6 147.8,16.6 148.4,17.2 v1(150.4,17.2) 150.65,16.95 D112.2 ; 131.6,16.6 131.65,16.55 D111.2 ; 93.4,16.6 93.45,16.55 D109.2 ; 36.6,16.6 22.6,16.6 20.6,14.6 D105.2 ; v1(187.4,117.2) 188.2,118 v1(264,118) ; R5.2 188.03,82.8 v1(187.4,82.8) 149,82.8 148.6,82.4 v1(148.6,81.6)
